# Altium PCB Car.PcbDoc
Units mm, origin at the board's own origin, x right, y up, seen from the top; angles counter-clockwise.
Board outline 152.4 x 101.6 mm, 2 copper layers (Top Layer, Bottom Layer), stack 1.601 mm thick; 45 components, 29 nets, 153 pads, 3 vias.
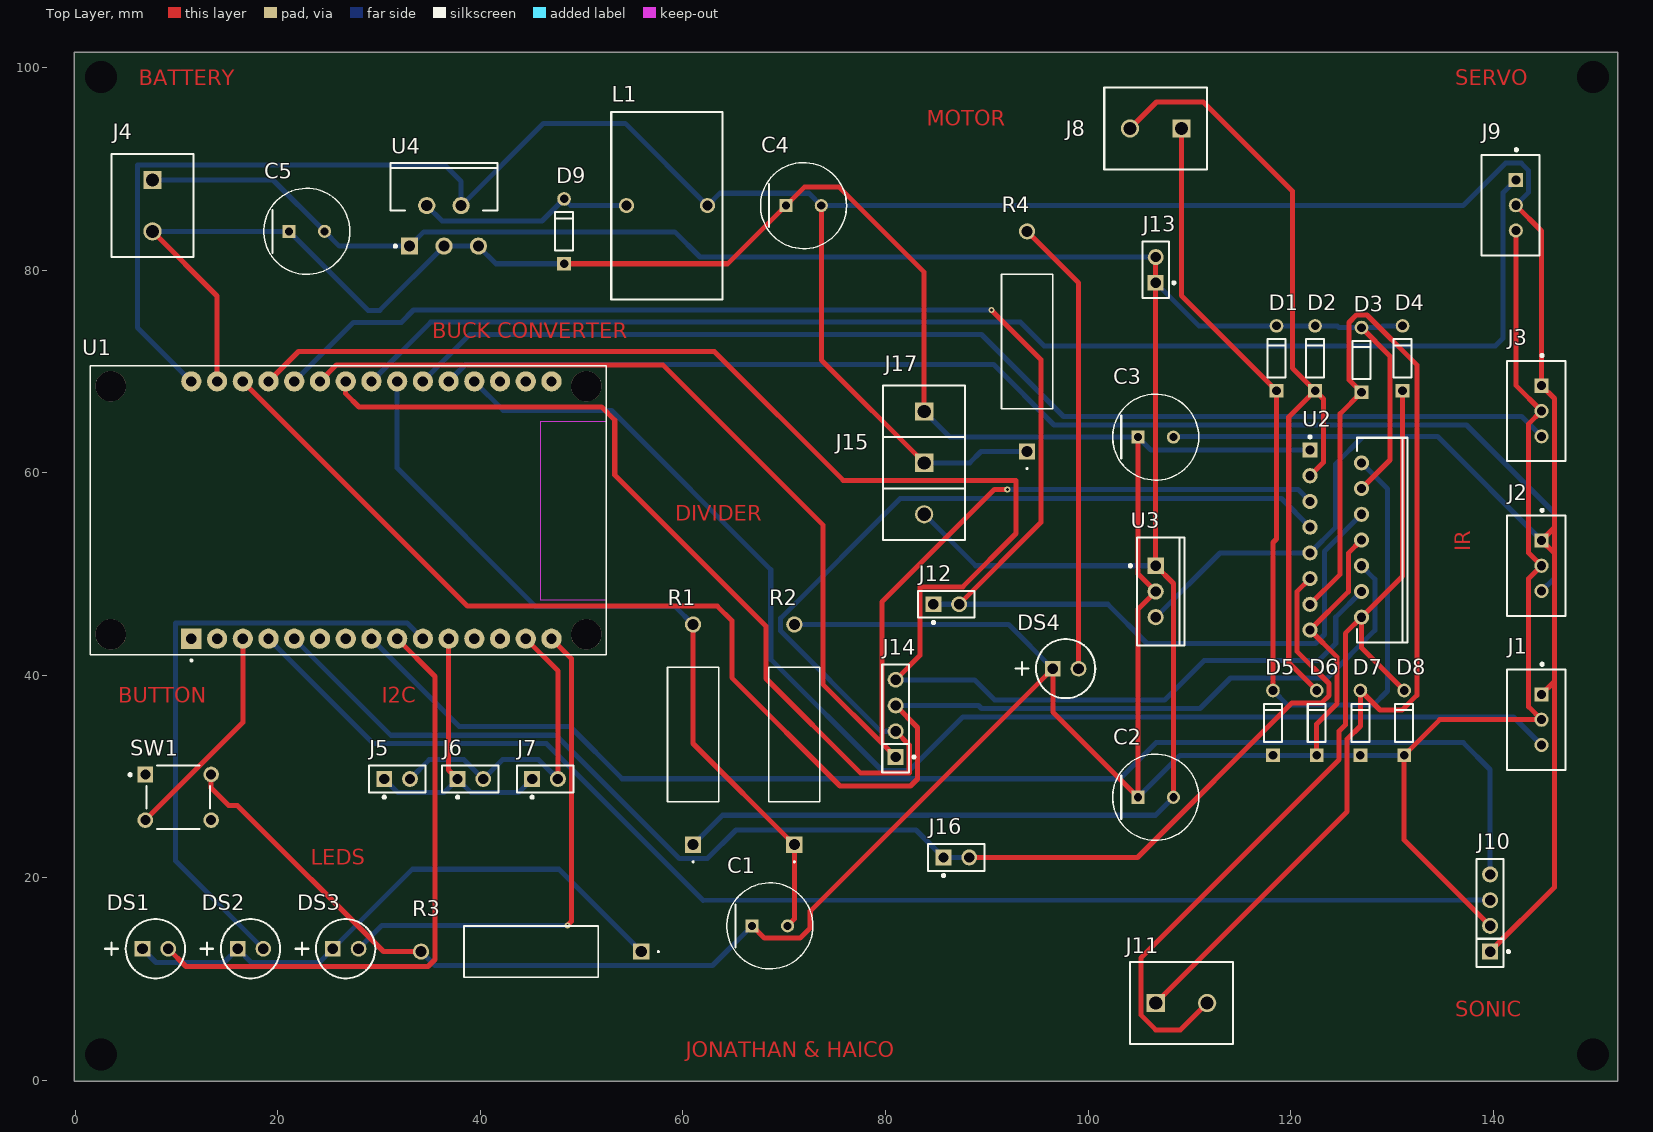
[diagram p0: Top Layer view]
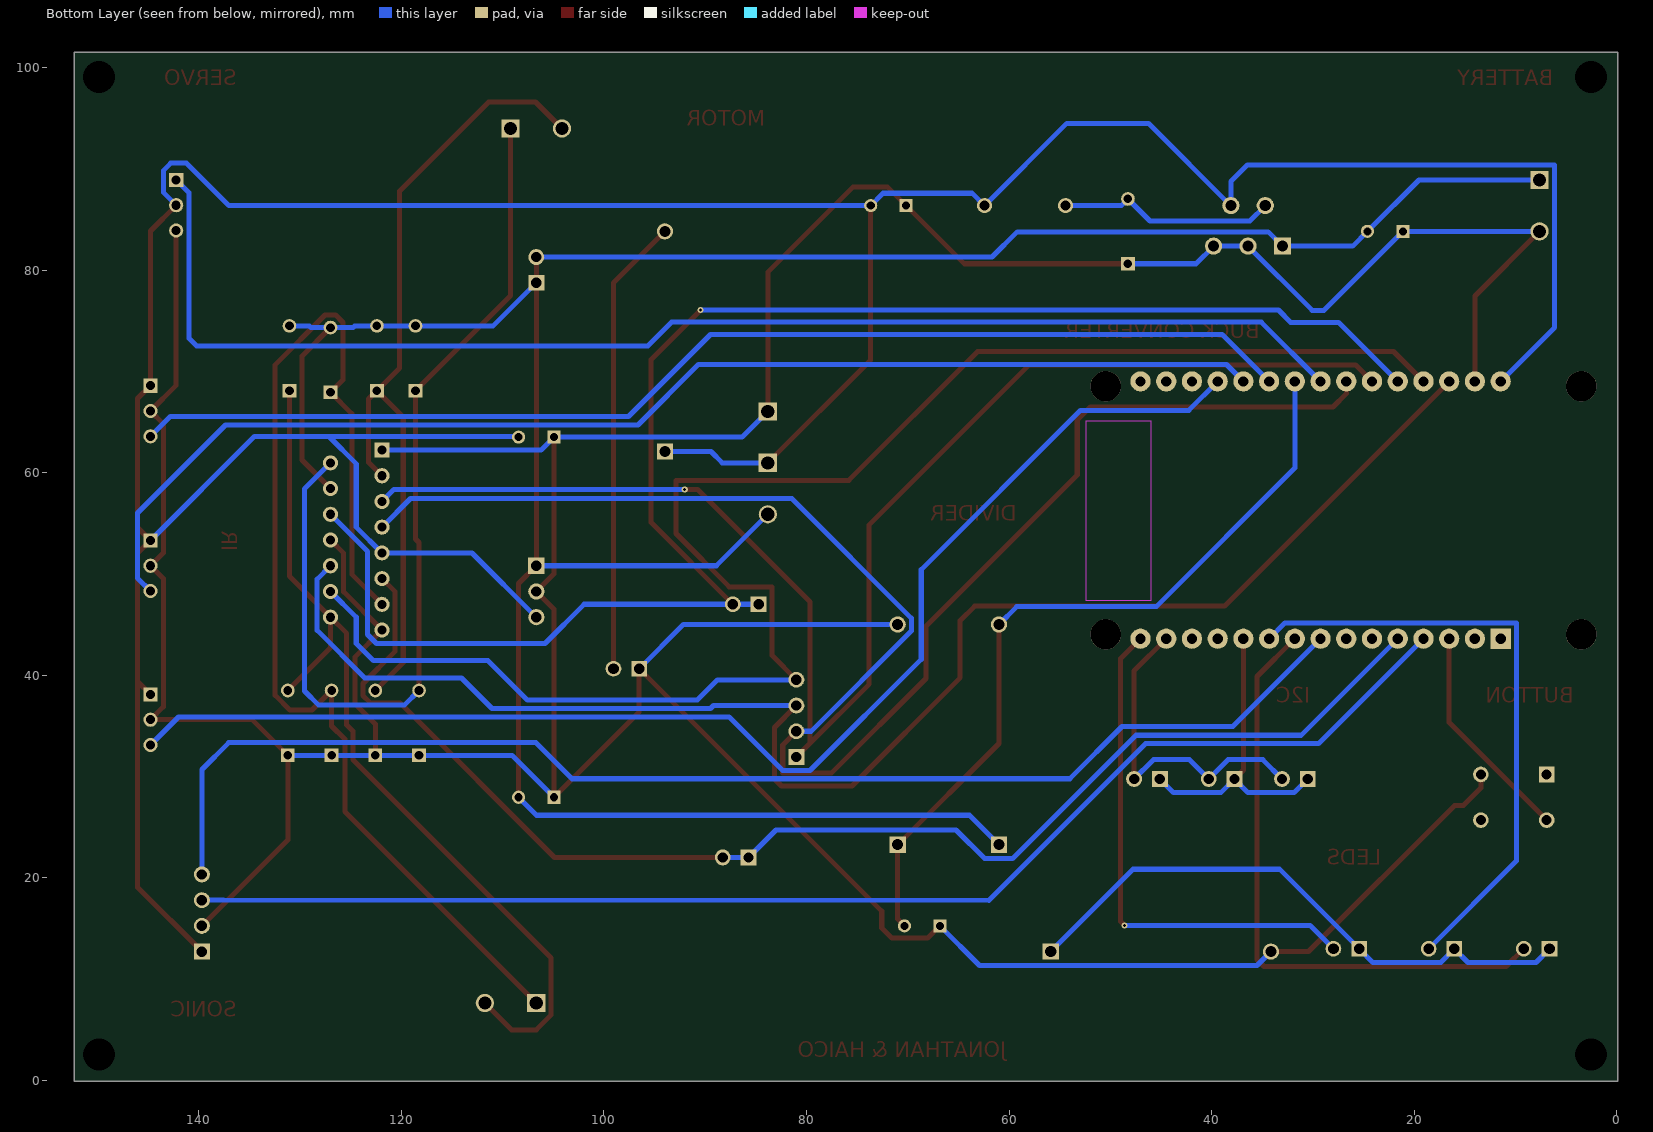
[diagram p1: Bottom Layer view, seen from below]
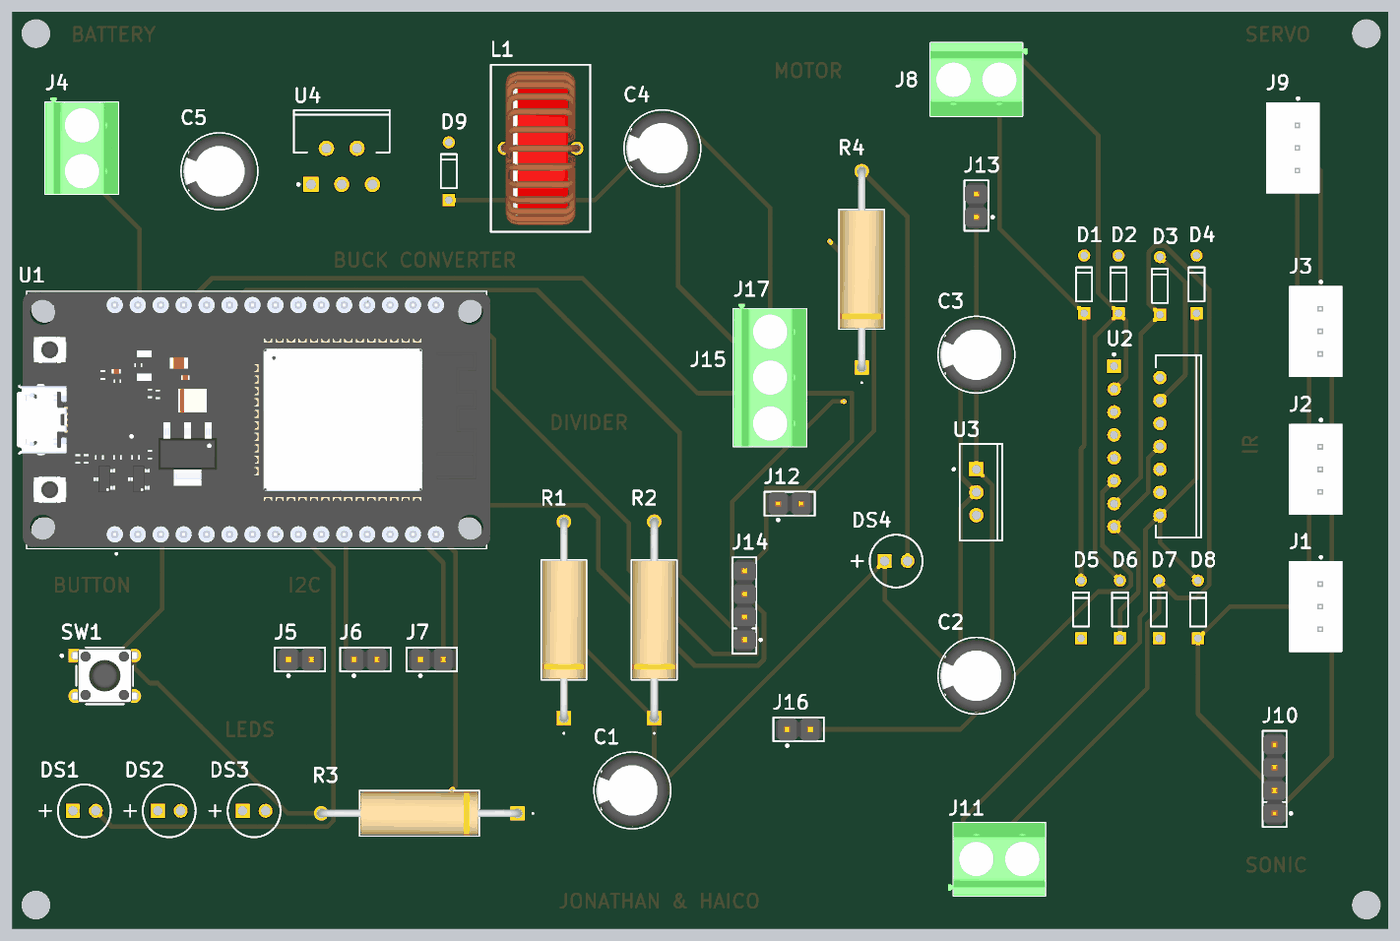
[diagram p2: 3D render of the assembled board from above, using the file's embedded part models]

## Layer stack, top to bottom
Top Solder: solder mask 0.0102, Solder Resist, Dk 3.5
Top Layer: signal copper 0.0356
Dielectric 1: dielectric 1.53, FR-4, Dk 4.8
Bottom Layer: signal copper 0.0356
Bottom Solder: solder mask 0.0102, Solder Resist, Dk 3.5

## Board outline
-0.1,-0.1 152.3,-0.1 152.3,101.5 -0.1,101.5

## Design rules (kind name [scope] priority, off if disabled: settings)
Clearance [All] p1: gap=0.3 ignorepadtopadclearanceinfootprint=FALSE
HoleSize [All] p1: absolutevalues=TRUE maxlimit=3.5 minlimit=0.025 maxpercent=80.000 minpercent=20.000
HoleToHoleClearance [All] p1: gap=0 allowstackedmicrovias=TRUE
PolygonConnect [All] p1: connectstyle=Relief reliefconductorwidth=0.254 reliefentries=4 polygonreliefangle="90 Angle" airgapwidth=0.254
RoutingVias [All] p1: holewidth=0.3 width=0.6 viastyle="Through Hole" minholewidth=0.3 minwidth=0.6 maxholewidth=0.3 maxwidth=0.6
SilkToSolderMaskClearance [IsPad] p1: minsilkscreentomaskgap=0.1 clearancetoexposedcopper=TRUE
SolderMaskExpansion [All] p1: expansion=0.102 istentingtop=FALSE
SupplyNets "Schematic Supply Nets_2" [InNet('GND')] p1: voltage=0.000
SupplyNets "Schematic Supply Nets_1" [InNet('VCC')] p2: voltage=0.000
SupplyNets "Schematic Supply Nets" [InNet('+5V')] p3: voltage=0.000
Width [All] p1: maxlimit=1 minlimit=0.5 preferedwidth=0.5
27 further rules are at their usual default settings.

## Components (designator, comment, footprint, x,y, rotation, side; value= is the part's Value field where it differs from the comment)
C1 "0.1µF" FP-EEU-FR1H101B-MFG 68.58,15.24 r0 top
C2 "CAP 220uF/35V" FP-EEU-FR1H101B-MFG 106.68,27.94 r0 top
C3 "CAP 220uF/35V" FP-EEU-FR1H101B-MFG 106.68,63.5 r0 top
C4 "220uF" FP-EEU-FR1H101B-MFG 71.91,86.36 r0 top
C5 "680uF" FP-EEU-FR1H101B-MFG 22.86,83.82 r0 top
D1 "BAT46" STM-DO-35-2 118.608,71.285 r90 top
D2 "BAT46" STM-DO-35-2 122.418,71.285 r90 top
D3 "BAT46" STM-DO-35-2 127,71.12 r90 top
D4 "BAT46" STM-DO-35-2 131.054,71.285 r90 top
D5 "BAT46" STM-DO-35-2 118.259,35.285 r90 top
D6 "BAT46" STM-DO-35-2 122.577,35.285 r90 top
D7 "BAT46" STM-DO-35-2 126.895,35.285 r90 top
D8 "BAT46" STM-DO-35-2 131.213,35.285 r90 top
D9 "BAT46" STM-DO-35-2 48.26,83.82 r90 top
DS1 "HLMP-3301" AVAG-HLMP-3301-2 6.631,12.981 r0 top
DS2 "HLMP-3301" AVAG-HLMP-3301-2 16.029,12.981 r0 top
DS3 "HLMP-3301" AVAG-HLMP-3301-2 25.427,12.981 r0 top
DS4 "LED" AVAG-HLMP-3301-2 96.52,40.64 r0 top
J1 "IR 1" FP-B3B-XH-A_LF_SN-MFG 144.255,35.6 r270 top
J2 "IR 2" FP-B3B-XH-A_LF_SN-MFG 144.255,50.8 r270 top
J3 "IR 3" FP-B3B-XH-A_LF_SN-MFG 144.255,66.08 r270 top
J4 "BATTERY 7.2V" PHOE-1729128-2_V 7.62,86.36 r270 top
J5 "I2C" FP-M20-9990245-MFG 31.777,29.745 r0 top
J6 "I2C" FP-M20-9990245-MFG 39.016,29.745 r0 top
J7 "I2C" FP-M20-9990245-MFG 46.382,29.745 r0 top
J8 "1729128" PHOE-1729128-2_V 106.68,93.98 r180 top
J9 "SERVO" FP-B3B-XH-A_LF_SN-MFG 141.715,86.4 r270 top
J10 "SONIC" FP-M20-9990445-MFG 139.7,16.51 r90 top
J11 "1729128" PHOE-1729128-2_V 109.22,7.62 r0 top
J12 "M20-9990245" FP-M20-9990245-MFG 86,47 r0 top
J13 "M20-9990245" FP-M20-9990245-MFG 106.68,80.01 r90 top
J14 "M20-9990445" FP-M20-9990445-MFG 81,35.73 r90 top
J15 "1729128" PHOE-1729128-2_V 83.82,58.42 r270 top
J16 "M20-9990245" FP-M20-9990245-MFG 87,22 r0 top
J17 "1729128" PHOE-1729128-2_V 83.82,63.5 r270 top
L1 "35µH" 7447015 58.42,86.36 r90 top
R1 "10kΩ" RES_AC03_VIS 61,23.258 r90 top
R2 "5.1kΩ" RES_AC03_VIS 71,23.258 r90 top
R3 "220Ω" RES_AC03_VIS 55.88,12.7 r180 top
R4 "1kΩ" RES_AC03_VIS 93.98,62.078 r90 top
SW1 "3-1825910-1" FP-3-1825910-1-MFG 10.16,27.94 r0 top
U1 "ESP32-DEVKIT-V1" MODULE_ESP32_DEVKIT_V1 26.975,56.3 r90 top
U2 "L298N" STM-FM-15 124.46,53.34 r0 top
U3 "LM78M05CT/NOPB" NDE0003A 106.68,48.26 r270 top
U4 "LM2596T-5.0/NOPB" NDH0005A 36.4,84.36 r0 top

## Footprints (in the part's own frame and the unit in brackets; to place one, negate y for a bottom-side part, rotate by r counter-clockwise, add the part's x,y. Pads: shape width x height; smd on the part's side, far side on the other; paste and mask are expansions set on the pad)
7447015 [mm] "Leaded Toroidal Line Choke, 2-leads, body 18.5x11mm"
  round 1.5 hole 1: 1(0,4) 2(0,-4)
  silkscreen extent -9.25,-5.5 9.25,5.5, body extent -8.51,-4.4 8.51,4.4, height 16.81
AVAG-HLMP-3301-2 [mm] "THD, 2-Leads, Body Dia 5.85mm"
  rect 1.55x1.55 hole 1.05: 1(0,0)
  round 1.55 hole 1.05: 2(2.54,0)
  silkscreen extent -3.68,-2.92 4.19,2.92
FP-3-1825910-1-MFG [mm]
  rect 1.54x1.54 hole 0.99 paste-2539.97 mask+0: 1(-3.25,2.25)
  round 1.54 hole 0.99 paste-2539.97 mask+0: 2(3.25,2.25) 3(-3.25,-2.25) 4(3.25,-2.25)
  silkscreen extent -4.87,-3.15 3.15,3.15, body extent -4.12,-3.24 4.12,3.24, height 0.25
FP-B3B-XH-A_LF_SN-MFG [mm]
  rect 1.4x1.4 hole 0.9 paste-2539.97 mask+0: 1(-2.5,0.525)
  round 1.4 hole 0.9 paste-2539.97 mask+0: 2(0,0.525) 3(2.5,0.525)
  silkscreen extent -5.6,-2.88 4.95,2.87, body extent -5.05,-2.98 5.05,2.98, height 0.25
FP-EEU-FR1H101B-MFG [mm]
  rect 1.3x1.3 hole 0.8 paste-2539.97 mask+0: 1(-1.75,0)
  round 1.3 hole 0.8 paste-2539.97 mask+0: 2(1.75,0)
  silkscreen extent -4.25,-4.25 4.25,4.25, body extent -4.35,-4.35 4.35,4.35, height 0.25
FP-M20-9990245-MFG [mm]
  rect 1.57x1.57 hole 1.02 paste-2539.97 mask+0: 1(-1.27,0)
  round 1.57 hole 1.02 paste-2539.97 mask+0: 2(1.27,0)
  silkscreen extent -2.79,-1.92 2.79,1.32, body extent -2.89,-1.42 2.89,1.42, height 0.25
FP-M20-9990445-MFG [mm]
  rect 1.57x1.57 hole 1.02 paste-2539.97 mask+0: 1(-3.81,0)
  round 1.57 hole 1.02 paste-2539.97 mask+0: 2(-1.27,0) 3(1.27,0) 4(3.81,0)
  silkscreen extent -5.33,-1.92 5.33,1.32, body extent -5.43,-1.42 5.43,1.42, height 0.25
MODULE_ESP32_DEVKIT_V1 [mm]
  rect 2x2 / inner round 2 / far side rect 2x2 hole 1.02: 1(-12.7,15.515)
  round 2 hole 1.02: 2(-12.7,12.975) 3(-12.7,10.435) 4(-12.7,7.895) 5(-12.7,5.355) 6(-12.7,2.815) 7(-12.7,0.275) 8(-12.7,-2.265) 9(-12.7,-4.805) 10(-12.7,-7.345) 11(-12.7,-9.885) 12(-12.7,-12.425) 13(-12.7,-14.965) 14(-12.7,-17.505) 15(-12.7,-20.045) 16(12.7,-20.045) 17(12.7,-17.505) 18(12.7,-14.965) 19(12.7,-12.425) 20(12.7,-9.885) 21(12.7,-7.345) 22(12.7,-4.805) 23(12.7,-2.265) 24(12.7,0.275) 25(12.7,2.815) 26(12.7,5.355) 27(12.7,7.895) 28(12.7,10.435) 29(12.7,12.975) 30(12.7,15.515)
  round 3 hole 3 unplated: ""(-12.28,23.475) ""(-12.28,-23.475) ""(12.23,23.475) ""(12.23,-23.475)
  Keep-Out Layer region: 8.78,-25.475 -8.91,-25.475 -8.91,-18.985 8.78,-18.985
  Keep-Out Layer region: 8.78,-25.475 -8.91,-25.475 -8.91,-18.985 8.78,-18.985
  silkscreen extent -14.95,-25.48 14.23,25.48, body extent -14.1,-25.9 14.1,26.55, height 7.05
NDE0003A [mm] "FM, 3-Leads, Body 10.7x4.7mm, Pitch 2.54mm"
  rect 1.6x1.6 hole 1: 1(-2.54,0)
  round 1.6 hole 1: 2(0,0) 3(2.54,0)
  silkscreen extent -5.35,-2.62 5.35,2.85, body extent -5.4,-1.9 5.4,2.9, height 19.4
NDH0005A [mm] "FM, 5-Leads, Body 10.6x4.7mm, Pitch 1.7mm"
  rect 1.7x1.7 hole 1.1: 1(-3.4,-2)
  round 1.7 hole 1.1: 2(-1.7,2) 3(0,-2) 4(1.7,2) 5(3.4,-2)
  silkscreen extent -5.3,-2.12 5.3,6.23, body extent -5.35,-2.31 5.35,6.28, height 21.1
PHOE-1729128-2_V [mm] "Receptacle, 2-Leads, Body 8.1x10.16mm, Pitch 5.08mm"
  rect 1.8x1.8 hole 1.3: 1(-2.54,0)
  round 1.8 hole 1.3: 2(2.54,0)
  silkscreen extent -5.08,-4.05 5.08,4.05, body extent -5.65,-4.05 5.08,4.05, height 10.01
RES_AC03_VIS [mil]
  rect 63x63 / inner round 60 / far side rect 63x63 hole 43 paste-99999 mask+0: 1(0,0)
  round 63 / inner round 60 / far side round 63 hole 43 paste-99999 mask+0: 2(856,0)
  silkscreen extent -69,-100 689,99, body extent -16,-95 873,95, height 189
STM-DO-35-2 [mm] "THD, 2-Leads, Dia 1.765 mm, Body Length 3.775 mm"
  rect 1.35x1.35 hole 0.85: 1(-3.2,0)
  round 1.35 hole 0.85: 2(3.2,0)
  silkscreen extent -1.89,-0.88 1.89,0.88, body extent -1.89,-0.88 1.89,0.88, height 1.76
STM-FM-15 [mm] "FM, 15-Leads, Body 20.2x5mm, Pitch 1.27mm"
  rect 1.5x1.5 hole 0.9: 1(-2.54,8.89)
  round 1.5 hole 0.9: 2(2.54,7.62) 3(-2.54,6.35) 4(2.54,5.08) 5(-2.54,3.81) 6(2.54,2.54) 7(-2.54,1.27) 8(2.54,0) 9(-2.54,-1.27) 10(2.54,-2.54) 11(-2.54,-3.81) 12(2.54,-5.08) 13(-2.54,-6.35) 14(2.54,-7.62) 15(-2.54,-8.89)
  silkscreen extent -2.66,-10.1 7.09,10.31, body extent -2.8,-10.1 7.09,10.1, height 21

## Part data
C1 C2 C3 C4 C5: library part CMP-05427-000020-1, "CAP ALUM 100UF 20% 50V RADIAL", Capacitance=100uF, Case/Package=Radial, ESR (Equivalent Series Resistance)=61mR, Max Operating Temperature=105°C, Min Operating Temperature=-40°C, Package Quantity=1, Ripple Current=870mA, Tolerance=20%, Voltage Rating=50V, Contact Plating=Tin, Diameter=8mm, Features="General Purpose", Height=11.5mm, Height - Seated (Max)=0.512inch, Impedance=61mR, Lead Diameter=0.6mm, Lead Free="Lead Free", Lead Pitch=5mm, Length=11.5mm, Life (Hours)=6000Hour, Mount="Through Hole", packaging="Tape and Reel", Radiation Hardening=No, REACH SVHC="No SVHC", RoHS Compliant=Yes, series=FR, Termination=Radial, Voltage Rating (DC)=50V
D1 D2 D3 D4 D5 D6 D7 D8 D9: library part CMP-2000-05926-1, "Small Signal Schottky Diode, 150 mA, 100 V, -65 to 125 degC, 2-Pin DO-35, RoHS, Tape and Reel", Diode Case Style=DO-204AH, Forward Current If(AV)=150mA, Forward Surge Current Ifsm Max=750mA, Forward Voltage VF Max=1V, manufacturer=STMicroelectronics, Operating Temperature Max=125°C, Package Description="2-Pin Axial Lead, Dia 1.765 mm, Body Length 3.775 mm", Package Reference=DO-35-2, Repetitive Reverse Voltage Vrrm Max=100V, Datasheet URL=http://www.st.com/content/ccc/resource/technical/document/datasheet/group1/11/76/e4/a3/df/07/49/14/CD00000767/files/CD00000767.pdf/jcr:content/translations/en.CD00000767.pdf, Datasheet Version="Rev. 2.1, 10/2001", Diode Configuration=Single, Diode Type=Schottky, Manufacturer URL=http://www.st.com/, Mounting Technology=ThroughHole, No. of Pins=2Pins, packaging=Tape&Reel, Product Range=-, SVHC=NoSVHC(15-Jun-2015)
DS1 DS2 DS3: library part CMP-2000-06411-1, "T-1 3/4 (5 mm) Diffused LED Lamp, 1.9 V, -40 to 100 degC, 2-Pin THD, RoHS, Bulk", Emitting Color=Red, Forward Current=25mA, Forward Voltage=2.4V, manufacturer=Avago, Operating Temp Range=-40Cto100C, Operating Temperature Classification=Industrial, Package Description="2-Pin Through Hole LED, Dia 5.85 mm", Package Type=T-13/4, Power Dissipation=85W, Reverse Voltage=5V, Test Current (It)=10mA, Chip Material=GaP, Datasheet URL=http://www.avagotech.com/docs/AV02-1558EN, Datasheet Version=03/2015, DELETED=Compliant, Dominant Wave Length=626nm, High Brightness=No, Lens Dimensions=5.08x5.08x8.3mm, Lens Type=ColoredDiffused, Lum Intensity=5.4mcd, Luminous Intensity=5.4mcd, Main Category=StandardLED, Manufacturer URL=http://www.avagotech.com/, Mounting=ThroughHole, Mounting Technology=ThroughHole, Number of  Elements=1, Package Reference=HLMP-3301, packaging=TapeandReel, Peak Wavelength=635nm, Pin Count=2, Product Depth (mm)=6.1mm, Product Height (mm)=9.19mm, Product Length (mm)=6.1mm, Rad Hardened=No, Shape Type=Circular, Type=Uni-Color, Viewing Angle=60deg
DS4: library part CMP-2000-06411-1, "T-1 3/4 (5 mm) Diffused LED Lamp, 1.9 V, -40 to 100 degC, 2-Pin THD, RoHS, Bulk", Emitting Color=Red, Forward Current=25mA, Forward Voltage=2.4V, manufacturer=Avago, Operating Temp Range=-40Cto100C, Operating Temperature Classification=Industrial, Package Description="2-Pin Through Hole LED, Dia 5.85 mm", Package Reference=HLMP-3301, Package Type=T-13/4, Power Dissipation=85W, Reverse Voltage=5V, Test Current (It)=10mA, Chip Material=GaP, Datasheet URL=http://www.avagotech.com/docs/AV02-1558EN, Datasheet Version=03/2015, DELETED=Compliant, Dominant Wave Length=626nm, High Brightness=No, Lens Dimensions=5.08x5.08x8.3mm, Lens Type=ColoredDiffused, Lum Intensity=5.4mcd, Luminous Intensity=5.4mcd, Main Category=StandardLED, Manufacturer URL=http://www.avagotech.com/, Mounting=ThroughHole, Mounting Technology=ThroughHole, Number of  Elements=1, packaging=TapeandReel, Peak Wavelength=635nm, Pin Count=2, Product Depth (mm)=6.1mm, Product Height (mm)=9.19mm, Product Length (mm)=6.1mm, Rad Hardened=No, Shape Type=Circular, Type=Uni-Color, Viewing Angle=60deg
J1 J2 J3 J9: library part CMP-17439-000014-3, "CONN HEADER VERT 3POS 2.5MM", Color=Natural, Contact Resistance=20mR, Current Rating=3A, Flammability Rating="UL94 V-0", Housing Color=White, Insulation Resistance=1GR, Max Operating Temperature=85°C, Max Voltage Rating (AC)=250V, Min Operating Temperature=-25°C, Connector Type=Header, Contact Finish - Mating=TIN, Contact Material=Brass, Contact Plating=Tin, Contact Shape=Square, Contact Type="Male Pin", Depth=5.75mm, Fastening Type=Detent, Gender=Male, Housing Material=Polyamide, Insulation Color=Natural, Insulation Material=Nylon, Lead Free="Lead Free", Lead Pitch=2.5mm, Length=9.9mm, Max Current Rating=3A, Max Voltage Rating (DC)=250V, Mount="Through Hole", Number of Contacts=3, Number of Positions=3, Number of Rows=1, Orientation=Straight, packaging=Bulk, Pitch=2.5mm, REACH SVHC="No SVHC", series=XH, Termination=Solder, Voltage Rating=250V, Voltage Rating (AC)=250V, Wire/Cable Gauge=22AWG
J4: library part CMP-2000-05815-1, "PCB Terminal Block, 13.5 A, 400 V, 2-Pin THD, RoHS, Bulk", Current Rating=13500mA, manufacturer="Phoenix Contact", Package Description="2-Pin Through Hole Device, Body 8.1 x 10.16 mm, Pitch 5.08 mm", Package Reference=1729128-2, Package Version=03/2015, PartNumber=1729128, Voltage Rating=400V, Datasheet URL=https://datasheet.ciiva.com/16046/1729128-16046181.pdf, Datasheet Version=12/2013, Manufacturer URL=http://www.phoenixcontact.com/, Mounting Technology=ThroughHole, No. of Positions=2, No. of Rows=1, Orientation=Horizontal, Package URL=https://www.phoenixcontact.com/online/portal/pi/pxc/product_detail_page/!ut/p/b1/3VdJjqNKFDxLH8AFycySyWY2ozFsEPOMMQaDOX1XedGL_1Vdm5YXJleknhSKeBkvI6EA8ncAo3AYoDhBQGco6KN7VURTdemj9us_IEKEZo_YHiPAEWEFmDGOHMORkqKYCORBZxgL7ZoaZYcbFFUZ3fqxSY6GOuxydWUuHqz1ynmMFygu583Bob0Ewr6Sd_l-5m-kAueHiB0jpRwZwe58wwtkpxtMYd_LmGcDRU02dRNEyWt6Y2ti5pSyJ_reIkzIulrqApdnbT11V5jnCKbYNCvhEM1MCpPByat_X379-iThf08CI5GfOPqfBeS3BRoBOdD55AKVv0iLwCMq-2BrzXWSGRH7pUGD9uwXQjiph3xL0DKQwdGa0JImiIOmBNOestqgwTHSSs2oOep-78apyXQBvNi8ZLaFjvjWvcaUEBu0MC6Wbe-d6mB0FAebo2lUWinqYaZs5DAYzV0RP9yitUjnGJ0iI9xhZkT42OCQNUJJhkgWINNQLP2JFP6OpMg3JCVg70jqHT0lvKOnhHf0lPuOnnLf0VPuWx6_dxwUIvwk5WMkT0kLL1mh61l2yZVSzG3pYV_bqo-mj6uMKwKwdnnW8Jh5RTOJzMOA5c-eJDaZQw4mTMPH02PvS_ZAqNVjVTo2WyYLkwH_KU1mmmG5kjRhDqPXLwwVHvVOjCM60-fpXvTDfMGW1PVFVS1r4e4yVDk4ZdNbkUHvqPqQSeian4UD39fNKmachqdJ1NJbyk8rXT9mXTvPk3oE5meulKGgiruPJek-4I9hTT6G8ZLOyRSm2RRVbThERQad5OS28hdt4YW4vG0stgYYzsWsK4_7y6DZMjJSCqri1kyiZR5vD7pwIrNR7QwPHTcLTI5qT7eRlpHrdGiupYlqQDJ7zy_CND8fWWBoLRXxk1RVcXiBQwbTD4Xi7KL-FuO94t9xaqweXzH, Packing=Bulk, Pitch=5.08mm, RoHS=TRUE
J5 J6 J7 J12 J13 J16: library part CMP-15831-000105-1, "CONN HEADER VERT 2POS 2.54MM", Case/Package=SIL, Color=Black, Contact Resistance=25mR, Current=3A, Flammability Rating="UL94 V-0", Insulation Resistance=10GR, Max Operating Temperature=105°C, Min Operating Temperature=-40°C, Package Quantity=1000, Voltage=50V, Voltage Rating (AC)=750V, Connector Type="Male Pin", Contact Finish - Mating=GOLD, Contact Material=Brass, Contact Mating Length=0.24inch, Contact Plating=Gold, Contact Shape=Square, Contact Type="Male Pin", Current Rating=3A, Depth=2.54mm, Fastening Type=Pull, Gender=Male, Height=0.12inch, Housing Color=Black, Housing Material=Nylon, Insulation Color=Black, Insulation Material=Nylon, Lead Pitch=2.54mm, Length=5.08mm, Mated Stacking Heights=16.54mm, Mating Cycles=300, Max Current Rating=3A, Mount="Through Hole", Number of Contacts=2, Number of Poles=2, Number of Positions=2, Number of Rows=1, Orientation=Straight, packaging=Bulk, Pitch=2.54mm, Radiation Hardening=No, Reach SVHC Compliant=Yes, series=M20, Termination=Solder, Weight=0.25lb, Width=0.25inch, Working Voltage=750V
J8 J11 J15 J17: library part CMP-2000-05815-1, "PCB Terminal Block, 13.5 A, 400 V, 2-Pin THD, RoHS, Bulk", Current Rating=13500mA, manufacturer="Phoenix Contact", Package Description="2-Pin Through Hole Device, Body 8.1 x 10.16 mm, Pitch 5.08 mm", Package Reference=1729128-2, Package Version=03/2015, Voltage Rating=400V, Datasheet URL=https://datasheet.ciiva.com/16046/1729128-16046181.pdf, Datasheet Version=12/2013, Manufacturer URL=http://www.phoenixcontact.com/, Mounting Technology=ThroughHole, No. of Positions=2, No. of Rows=1, Orientation=Horizontal, Package URL=https://www.phoenixcontact.com/online/portal/pi/pxc/product_detail_page/!ut/p/b1/3VdJjqNKFDxLH8AFycySyWY2ozFsEPOMMQaDOX1XedGL_1Vdm5YXJleknhSKeBkvI6EA8ncAo3AYoDhBQGco6KN7VURTdemj9us_IEKEZo_YHiPAEWEFmDGOHMORkqKYCORBZxgL7ZoaZYcbFFUZ3fqxSY6GOuxydWUuHqz1ynmMFygu583Bob0Ewr6Sd_l-5m-kAueHiB0jpRwZwe58wwtkpxtMYd_LmGcDRU02dRNEyWt6Y2ti5pSyJ_reIkzIulrqApdnbT11V5jnCKbYNCvhEM1MCpPByat_X379-iThf08CI5GfOPqfBeS3BRoBOdD55AKVv0iLwCMq-2BrzXWSGRH7pUGD9uwXQjiph3xL0DKQwdGa0JImiIOmBNOestqgwTHSSs2oOep-78apyXQBvNi8ZLaFjvjWvcaUEBu0MC6Wbe-d6mB0FAebo2lUWinqYaZs5DAYzV0RP9yitUjnGJ0iI9xhZkT42OCQNUJJhkgWINNQLP2JFP6OpMg3JCVg70jqHT0lvKOnhHf0lPuOnnLf0VPuWx6_dxwUIvwk5WMkT0kLL1mh61l2yZVSzG3pYV_bqo-mj6uMKwKwdnnW8Jh5RTOJzMOA5c-eJDaZQw4mTMPH02PvS_ZAqNVjVTo2WyYLkwH_KU1mmmG5kjRhDqPXLwwVHvVOjCM60-fpXvTDfMGW1PVFVS1r4e4yVDk4ZdNbkUHvqPqQSeian4UD39fNKmachqdJ1NJbyk8rXT9mXTvPk3oE5meulKGgiruPJek-4I9hTT6G8ZLOyRSm2RRVbThERQad5OS28hdt4YW4vG0stgYYzsWsK4_7y6DZMjJSCqri1kyiZR5vD7pwIrNR7QwPHTcLTI5qT7eRlpHrdGiupYlqQDJ7zy_CND8fWWBoLRXxk1RVcXiBQwbTD4Xi7KL-FuO94t9xaqweXzH, Packing=Bulk, PartNumber=1729128, Pitch=5.08mm, RoHS=TRUE
J10 J14: library part CMP-00671-05399696-1, "M20-9990445 Conn Unshrouded Header HDR 4 POS 2.54mm Solder ST Thru-Hole Bulk/Loose", Case/Package=SIL, Color=Black, Contact Resistance=25mΩ, Current Rating=3A, Insulation Resistance=10GΩ, Max Operating Temperature=105°C, Min Operating Temperature=-40°C, Voltage Rating (AC)=750V, Connector Type="Male Pin", Contact Material="Brass, Bronze, Gold, Nickel", Contact Mating Length=6.096mm, Contact Plating=Gold, Depth=2.54mm, Gender=Male, Height=2.54mm, Housing Color=Black, Housing Material=Nylon, Lead Pitch=2.54mm, Length=10.16mm, Max Current Rating=3A, Mount="Through Hole", NexarPartId=5399696, Number of Contacts=4, Number of Pins=4, Number of Positions=4, Number of Rows=1, Orientation=Straight, Pitch=2.54mm, Radiation Hardening=No, REACH SVHC="No SVHC", RoHS=Compliant, Termination=Solder, Voltage Rating (DC)=750V, Weight=45.359237g, Width=12.7mm
L1: library part CMP-03913-22866857-1, "7447015 35 µH ±20% Ferrite, Iron Powder Leaded Inductor, 5.7A Idc, 25mO Rdc WE-FI", Ambient Temperature Range High=65°C, Ambient Temperature Range Low=-40°C, Case/Package=Radial, Current Rating=5.7A, DC Resistance (DCR)=25mΩ, Inductance Tolerance=20%, Max DC Current=3A, Max Operating Temperature=105°C, Test Frequency=10kHz, Core Material="Composite, Ferrite", Depth=9.5mm, Diameter=18.5mm, Inductance=35µH, Lead Pitch=8mm, Length=18.5mm, Min Operating Temperature=-40°C, Mount="Through Hole, Wire", NexarPartId=22866857, Number of Pins=2, packaging=Bulk, Pin Length=15mm, REACH SVHC=Unknown, RMS Current (Irms)=3A, RoHS=Compliant, Shielding=Unshielded, Termination="Through Hole", Tolerance=20%, Width=11mm
R1 R2 R3 R4: library part CMP-00030-39746358-1, "AC03000001000JAC00 VISHAY AC03000001000JAC00 Through Hole Resistor, 100 ohm, Axial Leaded, 3 W, 5%, AC Series", Case/Package=Conformal, Max Operating Temperature=275°C, Max Power Dissipation=3W, Min Operating Temperature=0°C, Resistance=100Ω, Temperature Coefficient=-80ppm/°C, Tolerance=5%, Voltage Rating=17V, Composition=Wirewound, Contact Plating=Tin, Diameter=4.8mm, Features="Flame Retardant Coating", Lead Diameter=800µm, Length=13mm, Military Standard=Not, NexarPartId=39746358, Number of Pins=2, Number of Terminations=2, packaging="Cut Tape (CT)", Power Rating=3W, Radiation Hardening=No, REACH SVHC=Unknown, RoHS=Compliant, Schedule B="8533210080, 8533210080", Termination=Axial, Voltage Rating (DC)=17V, Width=4.8mm
SW1: library part CMP-03407-000001-1, "SWITCH TACTILE SPST-NO 0.05A 24V", Contact Current Rating=50mA, Contact Resistance=100mΩ, manufacturer="TE Connectivity", Operating Force=160gf, Package=0, Temperature="-35°C to +85°C", Temperature Range High=+85°C, Temperature Range Low=-35°C, Automotive=No, Category=Switch, componentlink2description=Datasheet, componentlink2url=https://www.te.com/commerce/DocumentDelivery/DDEController?Action=srchrtrv&DocNm=1825910&DocType=Customer+Drawing&DocLang=English, Device Class L1=Electromechanical, Device Class L2=Switches, Device Class L3="Tactile Switches", Digikey Description="SWITCH TACTILE SPST-NO 0.05A 24V", Electromechanical Life=100000Cycles, Height=17.3mm, Lead Free=Yes, Manufacturer Part Number=3-1825910-1, Mount="Through Hole", Octopart=https://octopart.com/3-1825910-1-te+connectivity-46506874, RoHS=TRUE, Throw Configuration=SPST-NO
U1: "Dual core, Wi-Fi: 2.4 GHz up to 150 Mbits/s,BLE (Bluetooth Low Energy) and legacy Bluetooth, 32 bits, Up to 240 MHz", Package=None, Check_prices=https://www.snapeda.com/parts/ESP32-DEVKIT-V1/Do+it/view-part/?ref=eda, MF="Do it", MP=ESP32-DEVKIT-V1, SnapEDA_Link=https://www.snapeda.com/parts/ESP32-DEVKIT-V1/Do+it/view-part/?ref=snap
U2: library part CMP-2000-06526-1, "Dual Full-Bridge Driver, 4.8 to 46 V, -40 to 150 degC, 15-Pin FM (MW 15L), RoHS, Tube", Driver Case Style=Multiwatt, manufacturer=STMicroelectronics, Operating Temperature Max=130°C, Operating Temperature Min=-25°C, Output Current=2A, Output Voltage=46V, Package Description="15-Pin Flange Mount, Body 5 x 19.6 mm, Pitch 1.27 mm", Package Reference=FM-15, PartNumber=L298, Supply Voltage Max=7V, Supply Voltage Min=4.5V, Automotive Qualification Standard=-, Datasheet URL=https://datasheet.ciiva.com/15109/getdatasheetpartid-50682-15109332.pdf, Datasheet Version=01/2000, Manufacturer URL=http://www.st.com/, Motor Type=FullBridge, Mounting Technology=ThroughHole, MSL=-, No. of Outputs=4Outputs, No. of Pins=15Pins, packaging=Each, Product Range=-, SVHC=NoSVHC(17-Dec-2015)
U3: library part CMP-0062-02482-3, "3-Terminal Positive Voltage Regulators, 3-pin TO-220, Pb-Free", manufacturer="Texas Instruments", PackageTopMarking=NSUZXYTTE#*LM341T-5.0*LM78M05CT, PowerWise=N, componentlink1description="Datasheet URL", componentlink1url=http://www.ti.com/general/docs/lit/getliterature.tsp?genericPartNumber=LM78M05&fileType=pdf, CompType="LDO IC", PackageDescription="TO-220, Molded, 3 Lead, Straight", PackageReference=NDE0003A, PinCount=3, RoHS=Y
U4: library part CMP-0069-01926-3, "SIMPLE SWITCHER® Power Converter 150 KHz 3A Step-Down Voltage Regulator, 5-pin TO-220, Pb-Free", manufacturer="Texas Instruments", PackageTopMarking="NSUZXYTTE#*LM2596T*-5.0 P+", PowerWise=N, componentlink1description="Datasheet URL", componentlink1url=http://www.ti.com/general/docs/lit/getliterature.tsp?genericPartNumber=LM2596&fileType=pdf, CompType=Switcher, PackageDescription="TO-220, Molded, Stagger Bend, 5 Lead", PackageReference=NDH0005A, PinCount=5, RoHS=Y

## Free pads (board coordinates)
  round 1.524 hole 3.2 unplated: 1(149.86,99.06) 2(2.54,99.06) 3(149.86,2.54) 4(2.54,2.54)

## Via types
v1: diameter 0.6, hole 0.3, Top Layer to Bottom Layer, 3 vias

## Nets (pads, with @x,y where several pads share a name; then routed paths per layer and width w, separated by ;. In a path a pad name is that pad's centre, name@x,y a point inside that pad or via, vN(x,y) a via of type N, cw(c..) or ccw(c..) an arc to the next point about the centre after c; other vN are vias at no path point)
+5V: C3.2 C4.2 J1.1 J2.1 J3.1 J9.2 J10.1 J15.1 J17.2 L1.2 R4.1 U1.30 U2.9 U3.3 U4.4 | length 373.4
  Top Layer w0.5: C4.2 73.66,71.12 J15.1 ; J10.1 146.052,19.052 146.052,39.372 ; J9.2 144.78,83.86 J3.1 146.052,67.308 146.052,54.572 ; J1.1 146.052,39.372 ; 146.052,39.372 146.052,52.028 ; 146.052,52.028 146.052,54.572 ; 146.052,52.028 J2.1 146.052,54.572
  Bottom Layer w0.5: U1.30 6.148,74.312 6.148,90.375 36.473,90.375 38.1,88.748 U4.4 46.23,94.49 54.29,94.49 L1.2 63.641,87.581 72.439,87.581 C4.2 137.033,86.36 141.226,90.553 142.775,90.553 143.512,89.816 143.512,87.672 J9.2 ; J15.1 88.317,60.96 89.435,62.078 R4.1 ; U3.3 113.03,52.07 U2.9 124.462,54.612 124.462,60.86 127.154,63.552 ; C3.2 108.482,63.552 127.154,63.552 ; J2.1 134.528,63.552 127.154,63.552
BUTTON: SW1.3 U1.3 | length 21.9
  Top Layer w0.5: SW1.3 16.54,35.32 U1.3
DIVIDER: C1.2 R1.2 R2.1 U1.22 | length 78.3
  Top Layer w0.5: R1.2 61,33.258 R2.1 71,15.91 C1.2
  Bottom Layer w0.5: U1.22 31.78,60.451 45.468,46.763 59.237,46.763 R1.2
"ECHO SONIC": J10.4 U1.8 | length 129.1
  Bottom Layer w0.5: U1.8 37.913,34.927 48.845,34.927 54.002,29.77 103.151,29.77 106.707,33.326 137.06,33.326 139.7,30.686 J10.4
ENA: J12.1 J12.2 U1.26 U2.6 | length 160.1
  Top Layer w0.5: J12.2 95.353,55.083 95.353,71.147 v1(90.451,76.049)
  Bottom Layer w0.5: U1.26 27.45,74.83 32.183,74.83 33.403,76.049 v1(90.451,76.049) ; J12.1 J12.2 101.949,47 105.818,43.131 122.455,43.131 123.344,44.02 123.344,52.224 U2.6
ENB: J16.1 J16.2 U1.5 U2.11 | length 133.5
  Top Layer w0.5: J16.2 104.88,22 120.14,37.26 123.09,37.26 123.802,37.972 123.802,39.174 120.62,42.356 120.62,48.23 U2.11
  Bottom Layer w0.5: U1.5 31.157,34.063 47.474,34.063 59.641,21.896 62.409,21.896 65.229,24.716 83.014,24.716 J16.1 J16.2
GND: C1.1 C2.1 C3.1 C4.1 C5.1 D5.1 D6.1 D7.1 D8.1 D9.1 DS4.1 J1.2 J2.2 J3.2 J4.2 J9.3 J10.2 J17.1 R2.2 R3.2 SW1.2 U1.29 U2.1 U2.8 U2.15 U3.2 U4.3 U4.5 | length 486.8
  Top Layer w0.5: J4.2 14,77.44 U1.29 ; SW1.2 13.41,28.859 15.14,27.129 16.004,27.129 30.432,12.7 R3.2 ; D9.1 64.42,80.62 C4.1 72.016,88.216 75.389,88.216 83.82,79.785 J17.1 ; C1.1 68.048,14.022 71.553,14.022 72.569,15.038 72.569,16.689 DS4.1 96.52,36.35 C2.1 104.93,46.51 U3.2 104.93,50.01 C3.1 ; D6.1 122.577,35.171 124.602,37.196 124.602,41.768 U2.15 125.7,48.23 125.7,52.04 U2.8 ; J10.2 131.213,23.727 D8.1 134.728,35.6 J1.2 143.512,36.868 143.512,49.532 J2.2 143.512,52.068 143.512,64.812 J3.2 142.24,68.62 J9.3
  Bottom Layer w0.5: J4.2 C5.1 28.906,76.024 30.064,76.024 U4.3 U4.5 41.54,80.62 D9.1 ; R3.2 35.508,11.33 62.92,11.33 C1.1 ; R2.2 92.16,45 DS4.1 ; J17.1 86.36,63.5 C3.1 106.2,62.23 U2.1 ; C2.1 109.075,32.085 D5.1 D6.1 D7.1 D8.1
"I2C 1": J5.1 J6.1 J7.1 U1.11 | length 31.1
  Top Layer w0.5: U1.11 36.86,30.631 J6.1
  Bottom Layer w0.5: J5.1 31.853,28.399 36.4,28.399 J6.1 39.092,28.399 43.766,28.399 J7.1
"I2C 2": J5.2 J6.2 J7.2 U1.14 | length 32.9
  Top Layer w0.5: U1.14 47.652,40.428 J7.2
  Bottom Layer w0.5: J5.2 34.952,31.65 38.381,31.65 J6.2 42.191,31.65 45.747,31.65 J7.2
IN1: J14.1 U1.25 U2.5 | length 144.1
  Top Layer w0.5: U1.25 25.799,70.639 58.015,70.639 73.814,54.84 73.814,39.106 79.656,33.264 ; J14.1 79.656,33.264 ; v1(92.026,58.32) 90.742,58.32 79.656,47.234 79.656,33.264
  Bottom Layer w0.5: v1(92.026,58.32) 120.75,58.32 U2.5
IN2: J14.2 U1.24 U2.7 | length 158.3
  Top Layer w0.5: U1.24 26.7,67.791 28.018,66.473 51.97,66.473 53.265,65.178 53.265,59.768 68.201,44.833 68.201,39.672 77.518,30.355 82.348,30.355 82.348,33.112 J14.2
  Bottom Layer w0.5: J14.2 79.538,34.46 69.648,44.35 69.648,45.62 81.459,57.431 119.099,57.431 U2.7
IN3: J14.3 U1.28 U2.10 | length 152.5
  Top Layer w0.5: U1.28 38.726,46.814 63.4,46.814 64.822,45.391 64.822,39.753 75.516,29.059 82.475,29.059 83.161,29.745 83.161,34.839 J14.3
  Bottom Layer w0.5: J14.3 89.19,37 89.486,36.705 111.05,36.705 114.073,39.727 123.623,39.727 128.322,44.426 128.322,49.478 U2.10
IN4: J14.4 U1.27 U2.12 | length 160.2
  Top Layer w0.5: U1.27 22.04,71.96 63.095,71.96 75.821,59.234 92.889,59.234 92.889,53.977 87.632,48.719 83.39,48.719 83.39,41.93 J14.4
  Bottom Layer w0.5: J14.4 88.784,39.54 90.781,37.543 107.571,37.543 111.457,41.429 122.763,41.429 124.462,43.128 124.462,45.722 U2.12
"IR 1": J1.3 U1.19 | length 129.8
  Bottom Layer w0.5: U1.19 42.257,66.143 52.935,66.143 68.671,50.407 68.671,41.568 79.656,30.583 82.348,30.583 87.632,35.866 142.014,35.866 J1.3
"IR 2": J2.3 U1.20 | length 124.2
  Bottom Layer w0.5: U1.20 38.524,70.664 90.68,70.664 96.644,64.7 137.36,64.7 146.052,56.009 146.052,49.572 J2.3
"IR 3": J3.3 U1.21 | length 116.5
  Bottom Layer w0.5: U1.21 38.956,73.636 89.486,73.636 97.582,65.54 142.82,65.54 J3.3
"LED 1": DS1.2 U1.9 | length 60.6
  Top Layer w0.5: DS1.2 10.924,11.228 34.825,11.228 35.511,11.914 35.511,39.869 U1.9
"LED 2": DS2.2 U1.10 | length 60.8
  Bottom Layer w0.5: DS2.2 9.908,21.642 9.908,45.163 32.757,45.163 U1.10
"LED 3": DS3.2 U1.15 | length 50.9
  Top Layer w0.5: U1.15 48.998,41.622 48.998,15.699 v1(48.592,15.292)
  Bottom Layer w0.5: DS3.2 30.278,15.292 v1(48.592,15.292)
NetD9_2: D9.2 L1.1 U4.2 | length 21.5
  Bottom Layer w0.5: U4.2 36.222,84.838 46.078,84.838 D9.2 48.92,86.36 L1.1
NetDS1_1: DS1.1 DS2.1 DS3.1 R3.1 | length 58.1
  Bottom Layer w0.5: DS1.1 7.977,11.635 14.683,11.635 DS2.1 17.375,11.635 24.081,11.635 DS3.1 33.276,20.83 47.75,20.83 R3.1
NetDS4_2: DS4.2 R4.2 | length 45.3
  Top Layer w0.5: R4.2 99.06,78.74 DS4.2
OUT1: D1.1 D5.2 J8.1 U2.2 | length 95.6
  Top Layer w0.5: J8.1 109.22,77.473 D1.1 118.608,53.437 118.259,53.088 D5.2
  Bottom Layer w0.5: D5.2 119.709,37.035 128.17,37.035 129.567,38.432 129.567,58.393 U2.2
OUT2: D2.1 D6.2 J8.2 U2.3 | length 82.5
  Top Layer w0.5: J8.2 106.758,96.598 111.381,96.598 120.169,87.809 120.169,70.334 D2.1 ; U2.3 123.242,61.012 123.242,67.261 D2.1 ; D6.2 119.82,41.242 119.82,65.487 D2.1
OUT3: D3.1 D7.2 J11.1 U2.13 | length 118.4
  Top Layer w0.5: J11.1 125.579,26.519 125.579,33.667 126.895,34.983 D7.2 128.828,36.552 131.015,36.552 132.463,38 132.463,70.639 127.535,75.567 126.494,75.567 125.757,74.83 125.757,69.163 D3.1 124.893,65.813 124.893,49.963 U2.13
OUT4: D4.1 D8.2 J11.2 U2.14 | length 89.6
  Top Layer w0.5: J11.2 109.12,4.98 106.682,4.98 105.208,6.453 105.208,12.079 124.779,31.65 124.779,34.456 125.402,35.079 125.402,44.122 U2.14 ; D4.1 131.054,49.774 U2.14 ; D8.2 127,42.698 U2.14
SERVO: J9.1 U1.23 | length 131.6
  Bottom Layer w0.5: U1.23 35.095,74.855 93.321,74.855 95.658,72.519 140.235,72.519 140.972,73.255 140.972,87.632 J9.1
"TRIG SONIC": J10.3 U1.4 | length 131.3
  Bottom Layer w0.5: U1.4 29.43,33.25 46.5,33.25 61.994,17.756 137.592,17.78 J10.3
VCC: C2.2 C5.2 D1.2 D2.2 D3.2 D4.2 J4.1 J13.1 J13.2 J15.2 R1.1 U2.4 U3.1 U4.1 | length 276.3
  Top Layer w0.5: J13.2 J13.1 U3.1 108.43,49.05 C2.2 ; U2.4 129.821,61.241 129.821,71.499 D3.2
  Bottom Layer w0.5: J4.1 19.53,88.9 C5.2 26.07,82.36 U4.1 34.411,83.771 59.184,83.771 61.674,81.28 J13.2 ; R1.1 63.906,26.164 106.654,26.164 C2.2 ; J15.2 88.9,50.8 U3.1 ; J13.1 110.935,74.485 D1.2 D2.2 124.614,74.485 124.779,74.32 D3.2 128.932,74.32 129.097,74.485 D4.2
pads on no net: SW1.1 SW1.4 U1. U1.1 U1.2 U1.6 U1.7 U1.12 U1.13 U1.16 U1.17 U1.18

## Other copper
Top Layer:
  text "BATTERY" at 6.254,98.254 h1.52
  text "SERVO" at 136.254,98.254 h1.52
  text "MOTOR" at 84.074,94.234 h1.52
  text "BUCK CONVERTER" at 35.254,73.254 h1.52
  text "DIVIDER" at 59.254,55.254 h1.52
  text "IR" at 137.746,52.254 h1.52 r90
  text "BUTTON" at 4.254,37.254 h1.52
  text "I2C" at 30.254,37.254 h1.52
  text "LEDS" at 23.254,21.254 h1.52
  text "SONIC" at 136.254,6.254 h1.52
  text "JONATHAN & HAICO" at 60.254,2.254 h1.52